# Altium PCB Monitor_Board.PcbDoc (part 3 of 5) (continued)
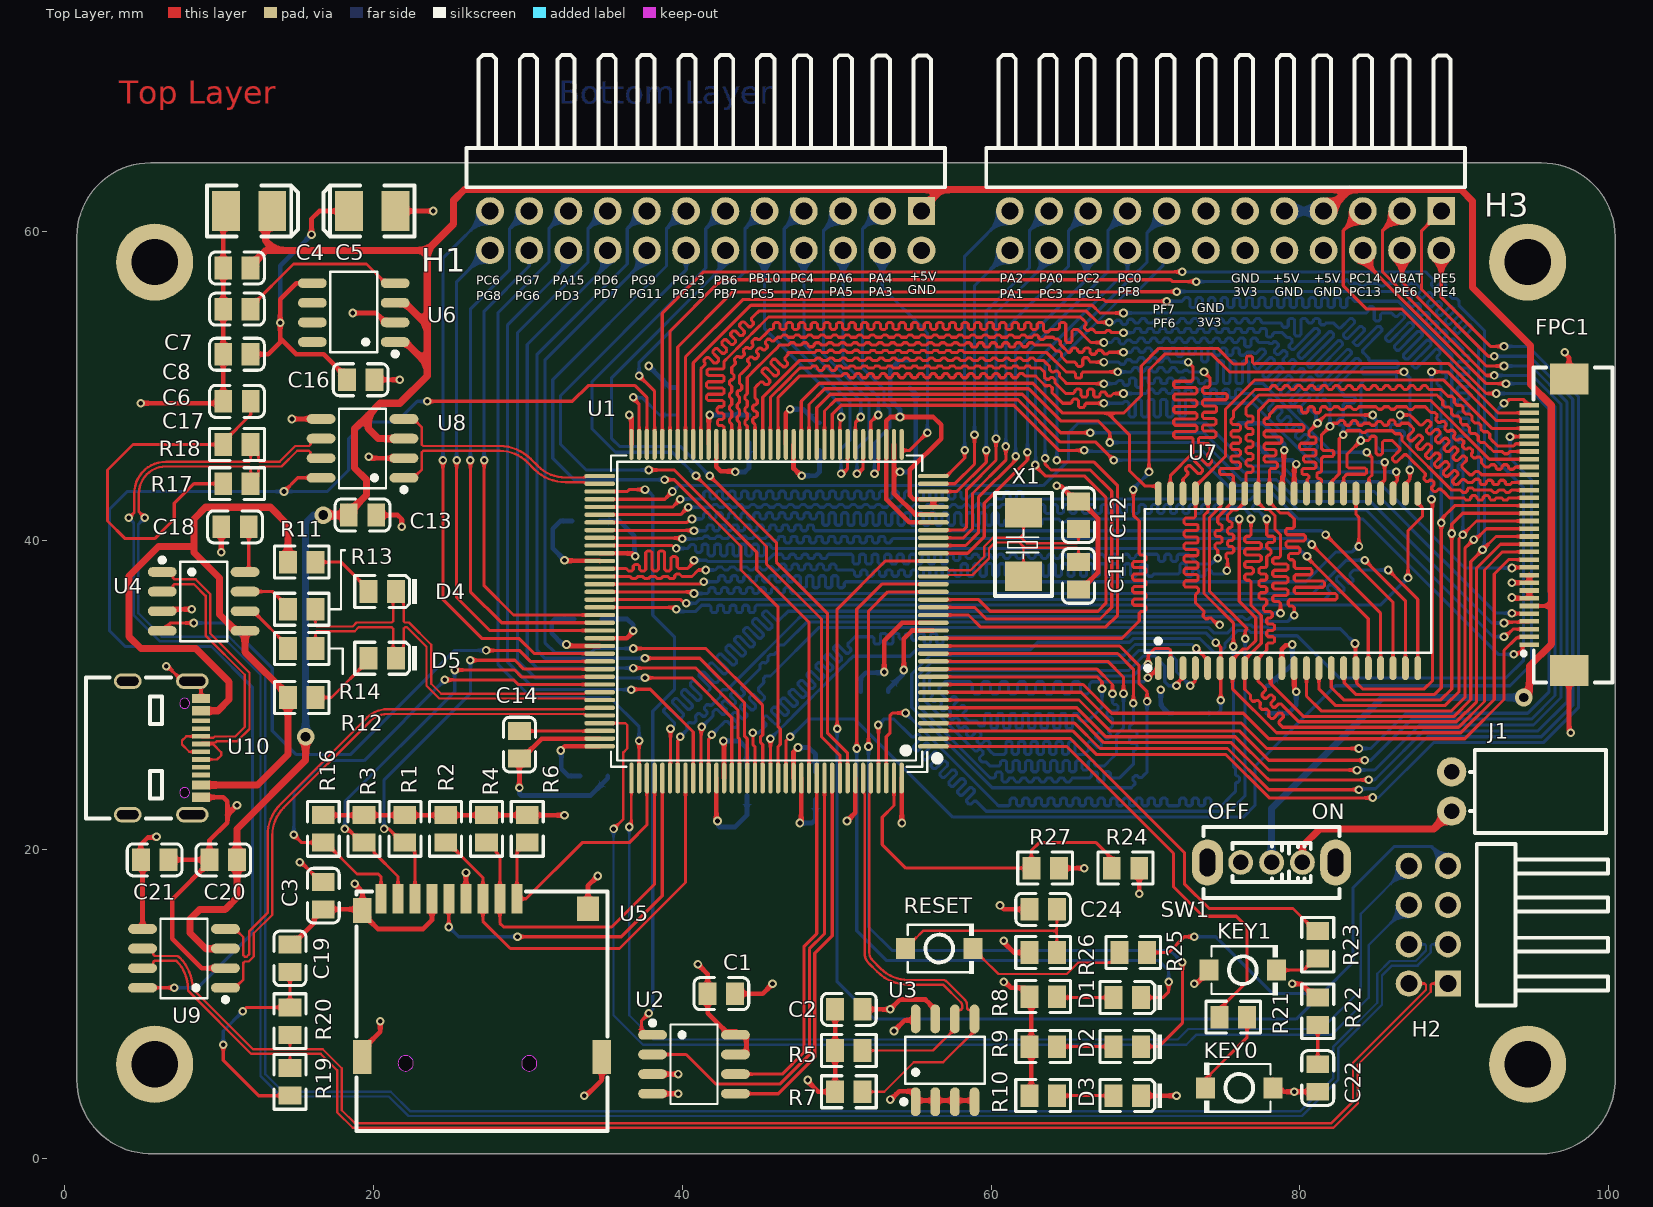
[diagram p0: Top Layer view]
## Nets (pads, with @x,y where several pads share a name; then routed paths per layer and width w, separated by ;. In a path a pad name is that pad's centre, name@x,y a point inside that pad or via, vN(x,y) a via of type N, cw(c..) or ccw(c..) an arc to the next point about the centre after c; other vN are vias at no path point) (continued)
NetKEY0_2: KEY0.2 R21.1 | length 5.6
  Top Layer w0.203: KEY0.2@73.888,5.08 73.888,5.145 76.581,7.838 R21.1@76.581,9.525
NetKEY1_2: KEY1.2 R23.1 | length 3
  Top Layer w0.203: KEY1.2@78.486,12.192 80.237,12.192 80.998,12.953 R23.1@81.153,12.953
NetR13_1: R13.1 U4.7 | length 3.3
  Top Layer w0.203: U4.7@11.699,36.703 13.49,36.703 14.478,35.715 R13.1@14.478,35.56
NetR14_1: R14.1 U4.6 | length 3.9
  Top Layer w0.203: U4.6@11.699,35.433 12.219,35.433 14.477,33.175 R14.1@14.477,33.02
NetR24_1: R24.1 R27.1 U1.143 | length 22.5
  Top Layer w0.203: U1.143@53.716,24.633 53.716,22.855 52.959,22.098 52.959,20.32 54.483,18.796 R27.1@62.609,18.796 62.609,19.937 63.119,20.447 66.802,20.447 67.816,19.433 R24.1@67.816,18.796
NetR25_1: R25.1 RESET.2 | length 10.9
  Top Layer w0.152: RESET.2@58.827,13.589 58.827,13.524 59.366,12.985 59.431,12.985 60.478,11.938 64.907,11.938 65.645,12.676 67.814,12.676 68.318,13.18 R25.1@68.318,13.335
PA_0: H3.14 U1.34 | length 22.2
  Top Layer w0.203: U1.34@56.266,43.183 57.788,43.183 59.69,45.085 v1(59.69,45.847)
  Bottom Layer w0.203: v1(59.69,45.847) 59.69,54.864 62.484,57.658 62.484,60.071 H3.14@63.754,61.341
PA_1: H3.1 U1.35 | length 18
  Top Layer w0.203: U1.35@56.266,43.683 57.653,43.683 58.928,44.958 v1(58.928,46.863)
  Bottom Layer w0.203: v1(58.928,46.863) 58.928,56.515 H3.1@61.214,58.801
PA_2: H3.13 U1.36 | length 19.7
  Top Layer w0.203: U1.36@56.266,44.183 57.126,44.183 58.293,45.35 v1(58.293,45.847)
  Bottom Layer w0.203: v1(58.293,45.847) 58.293,58.42 H3.13@61.214,61.341
PA_3: H1.11 U1.37 | length 15.7
  Top Layer w0.203: U1.37@54.216,46.233 54.216,45.882 54.252,45.847 54.737,45.847 v1(55.88,46.99)
  Bottom Layer w0.203: H1.11@52.959,58.928 52.959,56.388 55.764,53.583 55.753,53.573 55.88,53.446 v1(55.88,46.99)
PA_4: H1.23 U1.40 | length 20.9
  Top Layer w0.203: v1(52.451,44.323) 52.716,44.588 U1.40@52.716,46.233
  Bottom Layer w0.203: v1(52.451,44.323) 52.451,46.34 53.061,46.949 53.061,46.965 53.467,47.371 53.467,48.514 53.061,48.92 53.061,49.809 52.603,50.267 52.589,50.267 51.689,51.167 51.689,60.198 H1.23@52.959,61.468
PA_5: H1.10 U1.41 | length 13.9
  Top Layer w0.203: U1.41@52.216,46.233 52.216,47.708 52.641,48.133 v1(52.705,48.133)
  Bottom Layer w0.203: H1.10@50.419,58.928 50.419,51.562 52.705,49.276 v1(52.705,48.133)
PA_6: H1.22 U1.42 | length 21.3
  Top Layer w0.203: v1(51.317,44.323) 51.362,44.323 51.716,44.677 U1.42@51.716,46.233
  Bottom Layer w0.203: H1.22@50.419,61.468 H1.22@50.419,61.341 49.149,60.071 49.149,52.07 52.095,49.124 52.095,46.735 51.317,45.956 v1(51.317,44.323)
PA_7: H1.9 U1.43 | length 14.4
  Top Layer w0.203: U1.43@51.216,46.233 51.216,47.66 v1(51.562,48.006)
  Bottom Layer w0.203: H1.9@47.879,58.928 47.879,52.705 51.435,49.149 51.562,49.022 v1(51.562,48.006)
PA_15: H1.15 U1.110 | length 45.5
  Top Layer w0.203: v1(37.211,27.051) 37.211,24.638 U1.110@37.216,24.633
  Bottom Layer w0.203: H1.15@32.639,61.468 31.369,60.198 31.369,58.039 28.067,54.737 28.067,32.004 30.226,29.845 35.306,29.845 37.211,27.94 v1(37.211,27.051)
PB_6: H1.19 U1.136 | length 49.2
  Top Layer w0.203: v1(40.894,44.196) 45.466,39.624 45.466,38.481 49.022,34.925 49.022,27.305 50.216,26.111 U1.136@50.216,24.633
  Bottom Layer w0.203: v1(40.894,44.196) 39.37,45.72 35.687,45.72 34.163,47.244 34.163,50.292 41.529,57.658 41.529,60.198 H1.19@42.799,61.468
PB_7: H1.7 U1.137 | length 46
  Top Layer w0.203: v1(41.783,44.196) 46.101,39.878 46.101,38.608 49.403,35.306 49.403,27.559 50.716,26.246 U1.137@50.716,24.633
  Bottom Layer w0.203: v1(41.783,44.196) 39.878,46.101 35.941,46.101 35.433,46.609 35.433,50.546 42.799,57.912 H1.7@42.799,58.928
PB_10: H1.20 U1.69 | length 19.6
  Top Layer w0.203: v1(37.211,50.673) 38.216,49.668 U1.69@38.216,46.233
  Bottom Layer w0.203: v1(37.211,50.673) 37.211,51.562 42.355,56.706 43.37,56.706 44.069,57.404 44.069,60.198 H1.20@45.339,61.468
PC_0: H3.16 U1.26 | length 28.7
  Top Layer w0.203: U1.26@56.266,39.183 58.487,39.183 59.563,40.259 59.563,42.418 62.357,45.212 v1(62.357,45.72)
  Bottom Layer w0.203: v1(62.357,45.72) 62.357,52.197 67.564,57.404 67.564,60.071 H3.16@68.834,61.341
PC_1: H3.3 U1.27 | length 24.5
  Top Layer w0.203: U1.27@56.266,39.683 58.352,39.683 59.182,40.513 59.182,42.799 61.595,45.212 v1(61.595,45.466)
  Bottom Layer w0.203: v1(61.595,45.466) 61.595,52.324 66.167,56.896 66.167,58.674 H3.3@66.294,58.801
PC_2: H3.15 U1.28 | length 26.5
  Top Layer w0.203: U1.28@56.266,40.183 58.217,40.183 58.801,40.767 58.801,43.053 60.96,45.212 v1(60.96,46.101)
  Bottom Layer w0.203: v1(60.96,46.101) 60.96,53.721 65.024,57.785 65.024,60.071 H3.15@66.294,61.341
PC_3: H3.2 U1.29 | length 22.4
  Top Layer w0.203: U1.29@56.266,40.683 58.209,40.683 58.42,40.894 58.42,43.307 60.325,45.212 v1(60.325,46.609)
  Bottom Layer w0.203: v1(60.325,46.609) 60.325,54.737 63.754,58.166 H3.2@63.754,58.801
PC_4: H1.21 U1.44 | length 21.8
  Top Layer w0.203: v1(50.292,44.323) 50.378,44.323 50.716,44.661 U1.44@50.716,46.233
  Bottom Layer w0.203: H1.21@47.879,61.468 46.609,60.198 46.609,53.213 50.876,48.946 50.876,46.536 50.292,45.952 v1(50.292,44.323)
PC_5: H1.8 U1.45 | length 14.8
  Top Layer w0.203: U1.45@50.216,46.233 50.216,47.676 50.292,47.752 v1(50.292,48.006)
  Bottom Layer w0.203: H1.8@45.339,58.928 45.339,53.721 50.292,48.768 v1(50.292,48.006)
PC_6: H1.13 U1.96 | length 38.1
  Top Layer w0.203: v1(24.511,45.212) 24.511,36.195 27.051,33.655 29.464,33.655 30.436,32.683 U1.96@34.666,32.683
  Bottom Layer w0.203: v1(24.511,45.212) 24.511,58.293 H1.13@27.559,61.341 H1.13@27.559,61.468
PC_13: H3.10 U1.7 | length 79.3
  Top Layer w0.203: U1.7@56.266,29.683 65.694,29.683 67.691,27.686 76.073,27.686 77.978,25.781 v1(84.201,25.781) ; H3.10@84.074,58.801 84.074,58.166 92.075,50.165 v1(93.345,50.165)
  Bottom Layer w0.203: v1(84.201,25.781) 84.582,25.781 87.249,28.448 94.996,28.448 96.52,29.972 96.52,48.672 95.027,50.165 v1(93.345,50.165)
PC_14: H3.22 U1.8 | length 83.2
  Top Layer w0.203: U1.8@56.266,30.183 65.829,30.183 67.818,28.194 76.2,28.194 77.851,26.543 v1(83.82,26.543) ; H3.22@84.074,61.341 82.804,60.071 82.804,56.515 84.328,54.991 86.614,54.991 92.075,49.53 v1(92.71,49.53)
  Bottom Layer w0.203: v1(83.82,26.543) 84.582,26.543 86.868,28.829 94.742,28.829 96.139,30.226 96.139,48.514 95.123,49.53 v1(92.71,49.53)
PD_3: H1.3 U1.117 | length 45.3
  Top Layer w0.203: v1(36.703,30.353) 36.731,30.381 37.945,30.381 40.716,27.61 U1.117@40.716,24.633
  Bottom Layer w0.203: H1.3@32.639,58.928 32.639,57.912 28.702,53.975 28.702,32.131 30.48,30.353 v1(36.703,30.353)
PD_6: H1.16 U1.122 | length 51
  Top Layer w0.203: v1(37.592,31.115) 40.64,31.115 43.216,28.539 U1.122@43.216,24.633
  Bottom Layer w0.203: H1.16@35.179,61.468 33.909,60.198 33.909,58.039 29.337,53.467 29.337,32.258 30.48,31.115 v1(37.592,31.115)
PD_7: H1.4 U1.123 | length 48.2
  Top Layer w0.203: v1(36.83,31.75) 40.894,31.75 43.607,29.037 43.607,27.272 43.716,27.163 U1.123@43.716,24.633
  Bottom Layer w0.203: H1.4@35.179,58.928 35.179,57.912 29.972,52.705 29.972,32.385 30.607,31.75 v1(36.83,31.75)
PE_4: H3.12 U1.3 | length 80.7
  Top Layer w0.203: U1.3@56.266,27.683 65.281,27.683 66.802,26.162 75.184,26.162 78.003,23.343 84.684,23.343 v1(84.709,23.368) ; H3.12@89.154,58.801 89.154,55.753 92.329,52.578 v1(93.218,52.578)
  Bottom Layer w0.203: v1(84.709,23.368) 85.09,23.368 88.646,26.924 95.758,26.924 98.044,29.21 98.044,49.303 94.769,52.578 v1(93.218,52.578)
PE_5: H3.24 U1.4 | length 83.6
  Top Layer w0.203: U1.4@56.266,28.183 65.416,28.183 67.056,26.543 75.311,26.543 77.978,23.876 v1(83.82,23.876) ; H3.24@89.154,61.341 87.884,60.071 87.884,56.261 92.202,51.943 v1(92.583,51.943)
  Bottom Layer w0.203: v1(83.82,23.876) 83.88,23.936 84.896,23.936 88.265,27.305 95.631,27.305 97.663,29.337 97.663,49.145 94.865,51.943 v1(92.583,51.943)
PE_6: H3.11 U1.5 | length 80.2
  Top Layer w0.203: U1.5@56.266,28.683 65.551,28.683 67.31,26.924 75.565,26.924 77.47,25.019 77.724,24.765 77.978,24.511 v1(84.455,24.511) ; H3.11@86.614,58.801 86.614,56.769 92.075,51.308 v1(93.218,51.308)
  Bottom Layer w0.203: v1(84.455,24.511) 84.836,24.511 85.09,24.765 85.344,25.019 88.011,27.686 95.419,27.686 97.282,29.549 97.282,48.987 94.961,51.308 v1(93.218,51.308)
PF_6: H3.5 U1.18 | length 42.5
  Top Layer w0.203: U1.18@56.266,35.183 58.543,35.183 59.309,34.417 67.437,34.417 68.199,35.179 68.199,43.561 66.675,45.085 64.516,45.085 64.389,45.212 v1(64.262,45.212)
  Bottom Layer w0.203: v1(64.262,45.212) 64.262,51.562 68.707,56.007 69.342,56.007 71.126,57.791 71.126,58.553 H3.5@71.374,58.801
PF_7: H3.17 U1.19 | length 44.4
  Top Layer w0.203: U1.19@56.266,35.683 58.932,35.683 59.69,34.925 67.056,34.925 67.818,35.687 67.818,43.194 66.435,44.577 63.881,44.577 63.5,44.958 v1(63.5,45.339)
  Bottom Layer w0.203: v1(63.5,45.339) 63.5,51.447 69.076,57.023 69.088,57.023 70.104,58.039 70.104,59.944 71.374,61.214 H3.17@71.374,61.341
PF_8: H3.4 U1.20 | length 40.4
  Top Layer w0.203: U1.20@56.266,36.183 59.194,36.183 59.944,35.433 66.929,35.433 67.437,35.941 67.437,42.799 66.04,44.196 63.5,44.196 62.865,44.831 v1(62.865,44.898)
  Bottom Layer w0.203: v1(62.865,44.898) 62.89,44.924 62.89,51.587 68.834,57.531 H3.4@68.834,58.801
PG_6: H1.2 U1.91 | length 31.3
  Top Layer w0.203: v1(27.178,45.212) 27.178,37.084 29.079,35.183 U1.91@34.666,35.183
  Bottom Layer w0.203: v1(27.178,45.212) 27.178,54.864 30.099,57.785 H1.2@30.099,58.928
PG_7: H1.14 U1.92 | length 35.6
  Top Layer w0.203: v1(26.289,45.212) 26.289,36.703 28.309,34.683 U1.92@34.666,34.683
  Bottom Layer w0.203: v1(26.289,45.212) 26.289,54.991 28.829,57.531 28.829,60.198 H1.14@30.099,61.468
PG_8: H1.1 U1.93 | length 33.7
  Top Layer w0.203: v1(25.4,45.212) 25.4,36.322 27.539,34.183 U1.93@34.666,34.183
  Bottom Layer w0.203: v1(25.4,45.212) 25.4,56.769 H1.1@27.559,58.928
PG_9: H1.17 U1.124 | length 51.3
  Top Layer w0.203: v1(37.592,32.385) 41.148,32.385 44.044,29.489 44.044,27.338 44.216,27.166 U1.124@44.216,24.633
  Bottom Layer w0.203: v1(37.592,32.385) 31.115,32.385 30.607,32.893 30.607,52.07 36.449,57.912 36.449,60.198 H1.17@37.719,61.468
PG_11: H1.5 U1.126 | length 49.1
  Top Layer w0.203: v1(36.83,33.02) 41.529,33.02 45.212,29.337 45.212,28.575 45.216,28.571 45.216,27.434 45.085,27.303 45.085,26.924 45.216,26.793 U1.126@45.216,24.633
  Bottom Layer w0.203: v1(36.83,33.02) 34.369,33.02 34.089,32.741 31.775,32.741 31.115,33.401 31.115,51.689 37.719,58.293 H1.5@37.719,58.801 H1.5@37.719,58.928
PG_13: H1.18 U1.128 | length 50.4
  Top Layer w0.203: v1(38.862,43.942) 39.497,43.942 43.815,39.624 43.815,38.1 46.216,35.699 46.216,27.94 46.355,27.801 46.355,26.809 46.216,26.67 U1.128@46.216,24.633
  Bottom Layer w0.203: v1(38.862,43.942) 33.02,43.942 31.623,45.339 31.623,50.419 38.989,57.785 38.989,60.198 H1.18@40.259,61.468
PG_15: H1.6 U1.132 | length 47.7
  Top Layer w0.203: v1(37.846,44.577) 39.497,44.577 44.831,39.243 44.831,38.1 48.216,34.715 U1.132@48.216,24.633
  Bottom Layer w0.203: v1(37.846,44.577) 33.782,44.577 32.131,46.228 32.131,49.403 40.259,57.531 H1.6@40.259,58.928
sdio_cmd: R2.1 U1.116 U5.3 | length 28.6
  Top Layer w0.203: R2.1@24.689,20.447 24.844,20.447 27.101,18.19 U5.3@27.101,16.809 27.101,15.367 28.879,13.589 35.941,13.589 40.216,17.864 U1.116@40.216,24.633
sdio_d0: R1.1 U1.98 U5.7 | length 27.6
  Top Layer w0.203: v1(20.701,21.336) 21.003,21.336 21.892,20.447 R1.1@22.047,20.447 22.202,20.447 22.701,19.948 U5.7@22.701,16.809 ; v1(26.289,32.258) 29.174,32.258 29.749,31.683 U1.98@34.666,31.683
  Bottom Layer w0.203: v1(20.701,21.336) 20.701,24.511 26.289,30.099 v1(26.289,32.258)
sdio_d1: R3.1 U1.99 U5.8 | length 29.1
  Top Layer w0.203: v1(18.161,21.336) 18.362,21.336 19.251,20.447 R3.1@19.406,20.447 19.561,20.447 20.039,19.969 20.039,19.814 21.601,18.252 U5.8@21.601,16.809 ; v1(25.273,31.623) 29.151,31.623 29.591,31.183 U1.99@34.666,31.183
  Bottom Layer w0.203: v1(18.161,21.336) 18.161,23.114 25.273,30.226 v1(25.273,31.623)
sdio_d2: R6.1 U1.111 U5.1 | length 17.4
  Top Layer w0.203: R6.1@29.972,20.447 29.817,20.447 29.301,19.931 U5.1@29.301,16.809 29.89,16.809 33.528,20.447 36.576,20.447 37.719,21.59 37.719,24.63 U1.111@37.716,24.633
sdio_d3: R4.1 U1.112 U5.2 | length 23.8
  Top Layer w0.203: R4.1@27.33,20.447 27.485,20.447 27.964,19.969 27.964,19.814 28.201,19.576 U5.2@28.201,16.809 28.201,15.233 28.448,14.986 35.433,14.986 38.216,17.769 U1.112@38.216,24.633
SDIO_DET: R16.1 U1.100 U5.9 | length 33.9
  Top Layer w0.203: v1(14.859,20.955) 15.367,20.447 R16.1@16.764,20.447 16.919,20.447 18.951,18.415 20.32,18.415 20.501,18.234 U5.9@20.501,16.809 ; v1(24.638,30.988) 29.083,30.988 29.388,30.683 U1.100@34.666,30.683
  Bottom Layer w0.203: v1(14.859,20.955) 14.859,23.749 16.866,25.756 19.406,25.756 v1(24.638,30.988)
SDIO_SCK: U1.113 U5.5 | length 24.6
  Top Layer w0.203: v1(24.892,14.986) 24.892,16.8 U5.5@24.901,16.809 ; v1(29.337,14.351) 36.068,14.351 38.716,16.999 U1.113@38.716,24.633
  Bottom Layer w0.203: v1(24.892,14.986) 25.527,14.351 v1(29.337,14.351)
SRAM_A0: U1.10 U7.1 | length 62.9
  Top Layer w0.203: U1.10@56.266,31.183 66.861,31.183 67.183,30.861 v1(67.183,30.416) ; v1(70.158,31.115) U7.1@70.793,31.75
  Bottom Layer w0.203: v1(67.183,30.416) 67.183,29.21 67.039,29.066 66.752,28.779 66.465,28.492 66.294,28.321 66.091,28.321 65.786,28.321 65.684,28.423 65.684,28.714 65.583,28.815 65.38,28.815 65.278,28.714 65.278,28.321 65.278,27.928 65.176,27.827 64.973,27.827 64.872,27.928 64.872,28.321 64.872,28.714 64.77,28.815 64.567,28.815 64.465,28.714 64.465,28.321 64.465,27.928 64.364,27.827 64.16,27.827 64.059,27.928 64.059,28.321 64.059,28.714 63.957,28.815 63.754,28.815 63.652,28.714 63.652,28.321 63.652,27.928 63.551,27.827 63.348,27.827 63.246,27.928 63.246,28.321 63.246,28.714 63.144,28.815 62.941,28.815 62.84,28.714 62.84,28.321 62.84,27.928 62.738,27.827 62.535,27.827 62.433,27.928 62.433,28.321 62.433,28.714 62.332,28.815 62.128,28.815 62.027,28.714 62.027,28.321 62.027,27.928 61.925,27.827 61.722,27.827 61.62,27.928 61.62,28.321 61.62,28.714 61.519,28.815 61.316,28.815 61.214,28.714 61.214,28.321 61.214,27.928 61.112,27.827 60.909,27.827 60.808,27.928 60.808,28.321 60.808,28.714 60.706,28.815 60.503,28.815 60.401,28.714 60.401,28.321 60.401,27.928 60.3,27.827 60.096,27.827 59.995,27.928 59.995,28.321 59.995,28.714 59.893,28.815 59.69,28.815 59.588,28.714 59.588,28.321 59.588,28.091 59.487,27.989 59.284,27.989 59.182,28.091 59.182,28.219 59.08,28.321 58.776,28.321 58.547,28.321 58.403,28.465 58.188,28.68 58.188,28.824 58.394,29.03 58.394,29.173 58.25,29.317 58.106,29.317 57.9,29.111 57.757,29.111 57.613,29.255 57.613,29.399 57.819,29.604 57.819,29.748 57.675,29.892 57.531,29.892 57.326,29.686 57.182,29.686 56.966,29.902 56.679,30.189 56.642,30.226 56.642,30.48 57.023,30.861 57.912,30.861 58.204,30.861 58.642,30.861 58.788,30.715 58.788,30.22 58.934,30.074 59.226,30.074 59.372,30.22 59.372,30.715 59.519,30.861 59.811,30.861 59.957,30.715 59.957,30.22 60.103,30.074 60.395,30.074 60.541,30.22 60.541,30.715 60.687,30.861 60.979,30.861 61.125,30.715 61.125,30.22 61.271,30.074 61.563,30.074 61.709,30.22 61.709,30.715 61.855,30.861 62.147,30.861 62.293,30.715 62.293,30.22 62.44,30.074 62.732,30.074 62.878,30.22 62.878,30.715 63.024,30.861 63.316,30.861 63.462,30.715 63.462,30.22 63.608,30.074 63.9,30.074 64.046,30.22 64.046,30.715 64.192,30.861 64.484,30.861 64.63,30.715 64.63,30.22 64.776,30.074 65.068,30.074 65.214,30.22 65.214,30.715 65.361,30.861 65.653,30.861 65.799,30.715 65.799,30.22 65.945,30.074 66.237,30.074 66.383,30.22 66.383,30.715 66.529,30.861 66.548,30.861 69.904,30.861 v1(70.158,31.115)
SRAM_A1: U1.11 U7.2 | length 63.6
  Top Layer w0.203: U1.11@56.266,31.683 66.869,31.683 67.869,30.683 v1(67.869,30.097) ; v1(70.168,32.004) 70.18,32.017 70.18,32.588 70.612,33.02 71.501,33.02 71.628,32.893 U7.2@71.628,31.742
  Bottom Layer w0.203: v1(67.869,30.097) 67.869,29.591 67.869,29.489 67.97,29.388 68.123,29.388 68.224,29.286 68.224,29.083 68.123,28.981 67.869,28.981 67.603,28.981 67.502,28.88 67.502,28.677 67.603,28.575 67.767,28.575 67.869,28.473 67.869,28.169 67.869,27.991 67.725,27.847 67.691,27.813 67.619,27.741 67.619,27.597 67.735,27.482 67.735,27.338 67.591,27.194 67.448,27.194 67.26,27.382 67.072,27.57 66.928,27.57 66.785,27.426 66.785,27.282 66.973,27.095 67.16,26.907 67.16,26.763 67.017,26.619 66.873,26.619 66.685,26.807 66.497,26.995 66.354,26.995 66.21,26.851 66.21,26.708 66.326,26.592 66.326,26.448 66.11,26.232 66.103,26.226 66.04,26.162 65.837,26.162 65.532,26.162 65.43,26.264 65.43,26.907 65.329,27.008 65.126,27.008 65.024,26.907 65.024,26.264 64.922,26.162 64.719,26.162 64.618,26.264 64.618,26.907 64.516,27.008 64.313,27.008 64.211,26.907 64.211,26.264 64.11,26.162 63.906,26.162 63.805,26.264 63.805,26.907 63.703,27.008 63.5,27.008 63.398,26.907 63.398,26.264 63.297,26.162 63.094,26.162 62.992,26.264 62.992,26.907 62.89,27.008 62.687,27.008 62.586,26.907 62.586,26.264 62.484,26.162 62.281,26.162 62.179,26.264 62.179,26.907 62.078,27.008 61.874,27.008 61.773,26.907 61.773,26.264 61.671,26.162 61.468,26.162 61.366,26.264 61.366,26.907 61.265,27.008 61.062,27.008 60.96,26.907 60.96,26.264 60.858,26.162 60.579,26.162 60.165,26.162 60.021,26.306 59.806,26.521 59.806,26.665 59.922,26.781 59.922,26.925 59.778,27.068 59.634,27.068 59.447,26.88 59.399,26.833 59.255,26.833 59.111,26.976 59.111,27.12 59.159,27.168 59.347,27.356 59.347,27.499 59.203,27.643 59.06,27.643 58.872,27.455 58.704,27.287 58.56,27.287 58.416,27.431 58.416,27.574 58.513,27.671 58.513,27.814 58.369,27.958 58.225,27.958 58.129,27.862 57.985,27.862 57.841,28.005 57.841,28.149 57.938,28.245 57.938,28.389 57.794,28.533 57.65,28.533 57.554,28.436 57.41,28.436 57.267,28.58 57.267,28.724 57.363,28.82 57.363,28.964 57.219,29.108 57.076,29.108 56.979,29.011 56.836,29.011 56.692,29.155 56.692,29.299 56.788,29.395 56.788,29.539 56.645,29.682 56.501,29.682 56.405,29.586 56.261,29.586 56.117,29.73 56.117,29.873 56.214,29.97 56.214,30.113 56.181,30.146 56.007,30.32 56.007,30.983 56.266,31.242 69.215,31.242 69.964,31.991 v1@70.219,31.991
SRAM_A2: U1.12 U7.3 | length 63.1
  Top Layer w0.203: U1.12@56.266,32.183 67.564,32.183 68.58,31.167 v1(68.58,30.099) ; v1(72.009,30.607) 72.077,30.675 72.077,30.793 72.428,31.144 U7.3@72.428,31.742
  Bottom Layer w0.203: v1(68.58,30.099) 68.58,28.138 68.58,27.889 68.135,27.445 68.135,26.225 67.992,26.082 67.704,25.794 67.417,25.507 67.31,25.4 67.107,25.4 66.802,25.4 66.7,25.502 66.7,25.666 66.599,25.767 66.396,25.767 66.294,25.666 66.294,25.4 66.294,25.246 66.192,25.145 65.989,25.145 65.888,25.246 65.888,25.4 65.888,25.666 65.786,25.767 65.583,25.767 65.481,25.666 65.481,25.4 65.481,25.134 65.38,25.033 65.176,25.033 65.075,25.134 65.075,25.4 65.075,25.666 64.973,25.767 64.77,25.767 64.668,25.666 64.668,25.4 64.668,25.134 64.567,25.033 64.364,25.033 64.262,25.134 64.262,25.4 64.262,25.666 64.16,25.767 63.957,25.767 63.856,25.666 63.856,25.4 63.856,25.134 63.754,25.033 63.551,25.033 63.449,25.134 63.449,25.4 63.449,25.666 63.348,25.767 63.144,25.767 63.043,25.666 63.043,25.4 63.043,25.134 62.941,25.033 62.738,25.033 62.636,25.134 62.636,25.4 62.636,25.666 62.535,25.767 62.332,25.767 62.23,25.666 62.23,25.4 62.23,25.134 62.128,25.033 61.925,25.033 61.824,25.134 61.824,25.4 61.824,25.666 61.722,25.767 61.519,25.767 61.417,25.666 61.417,25.4 61.417,25.134 61.316,25.033 61.112,25.033 61.011,25.134 61.011,25.4 61.011,25.666 60.909,25.767 60.706,25.767 60.604,25.666 60.604,25.502 60.503,25.4 60.198,25.4 59.944,25.4 59.753,25.59 59.668,25.676 59.552,25.676 59.408,25.676 59.265,25.82 59.265,25.964 59.322,26.022 59.491,26.19 59.491,26.333 59.347,26.477 59.203,26.477 59.107,26.381 58.963,26.381 58.547,26.797 55.651,29.693 55.651,31.13 56.119,31.598 68.936,31.598 69.875,32.537 70.587,32.537 71.247,31.877 71.247,30.861 71.501,30.607 v1(72.009,30.607)
SRAM_A3: U1.13 U7.4 | length 64
  Top Layer w0.203: U1.13@56.266,32.683 67.31,32.683 67.316,32.689 68.199,32.689 69.215,31.673 v1(69.215,29.464) ; v1(72.898,30.607) 73.228,30.937 U7.4@73.228,31.742
  Bottom Layer w0.203: v1(69.215,29.464) 69.215,29.083 69.215,28.88 69.215,28.702 69.215,28.499 69.215,28.194 69.113,28.092 69.076,28.092 68.975,27.991 68.975,27.788 69.076,27.686 69.215,27.686 69.354,27.686 69.455,27.584 69.455,27.381 69.354,27.28 69.215,27.28 69.076,27.28 68.975,27.178 68.975,26.975 69.076,26.873 69.215,26.873 69.354,26.873 69.455,26.772 69.455,26.568 69.354,26.467 69.317,26.467 69.215,26.365 69.215,26.06 69.215,26.035 69.215,25.527 68.326,24.638 68.123,24.638 67.818,24.638 67.716,24.74 67.716,24.94 67.615,25.042 67.412,25.042 67.31,24.94 67.31,24.638 67.31,24.477 67.208,24.376 67.005,24.376 66.904,24.477 66.904,24.638 66.904,24.926 66.802,25.027 66.599,25.027 66.497,24.926 66.497,24.74 66.396,24.638 66.091,24.638 65.786,24.638 65.583,24.638 65.278,24.638 65.176,24.536 65.176,24.477 65.075,24.376 64.872,24.376 64.77,24.477 64.77,24.536 64.668,24.638 64.465,24.638 64.364,24.536 64.364,24.477 64.262,24.376 64.059,24.376 63.957,24.477 63.957,24.536 63.856,24.638 63.652,24.638 63.551,24.536 63.551,24.477 63.449,24.376 63.246,24.376 63.144,24.477 63.144,24.536 63.043,24.638 62.84,24.638 62.738,24.536 62.738,24.477 62.636,24.376 62.433,24.376 62.332,24.477 62.332,24.536 62.23,24.638 62.027,24.638 61.925,24.536 61.925,24.477 61.824,24.376 61.62,24.376 61.519,24.477 61.519,24.536 61.417,24.638 61.214,24.638 61.112,24.536 61.112,24.477 61.011,24.376 60.808,24.376 60.706,24.477 60.706,24.638 60.706,24.926 60.604,25.027 60.401,25.027 60.3,24.926 60.3,24.74 60.198,24.638 59.944,24.638 59.8,24.782 59.69,24.892 55.245,29.337 55.245,31.242 55.26,31.242 56.149,32.131 68.82,32.131 69.582,32.893 71.374,32.893 72.009,32.258 72.009,31.496 v1(72.898,30.607)
SRAM_A4: U1.14 U7.5 | length 62.4
  Top Layer w0.203: U1.14@56.266,33.183 68.326,33.183 69.571,31.938 69.571,30.759 70.104,30.226 v1(70.104,29.591) ; v1(73.279,33.02) 74.059,32.24 U7.5@74.059,31.75
  Bottom Layer w0.203: v1(70.104,29.591) 70.104,25.019 69.96,24.875 69.745,24.66 69.601,24.66 69.473,24.788 69.329,24.788 69.186,24.644 69.186,24.501 69.314,24.372 69.314,24.229 69.098,24.013 69.088,24.003 60.076,24.003 54.864,29.215 54.864,31.364 56.082,32.582 68.633,32.582 69.325,33.274 73.025,33.274 v1(73.279,33.02)
SRAM_A5: U1.15 U7.24 | length 62.7
  Top Layer w0.203: U1.15@56.266,33.683 68.481,33.683 69.596,34.798 69.596,35.001 69.596,35.306 69.698,35.408 69.923,35.408 70.025,35.509 70.025,35.712 69.923,35.814 69.596,35.814 69.269,35.814 69.167,35.916 69.167,36.119 69.269,36.22 69.596,36.22 69.923,36.22 70.025,36.322 70.025,36.525 69.923,36.627 69.596,36.627 69.269,36.627 69.167,36.728 69.167,36.932 69.269,37.033 69.596,37.033 69.923,37.033 70.025,37.135 70.025,37.338 69.923,37.44 69.596,37.44 69.269,37.44 69.167,37.541 69.167,37.744 69.269,37.846 69.596,37.846 69.923,37.846 70.025,37.948 70.025,38.151 69.923,38.252 69.596,38.252 69.269,38.252 69.167,38.354 69.167,38.557 69.269,38.659 69.596,38.659 69.923,38.659 70.025,38.76 70.025,38.964 69.923,39.065 69.698,39.065 69.596,39.167 69.596,39.878 69.596,41.275 69.215,41.656 v1(69.215,43.307) ; v1(70.231,44.45) 70.231,51.054 71.272,52.095 74.27,52.095 75.438,50.927 v1(86.741,50.927) ; U7.24@86.828,43.053 86.828,43.671 87.122,43.965 v1(87.122,44.577)
  Bottom Layer w0.203: v1(69.215,43.307) 69.215,43.37 70.231,44.386 v1(70.231,44.45) ; v1(86.741,50.927) 87.122,50.546 87.122,47.163 87.122,46.665 v1(87.122,44.577)
SRAM_A7: U1.53 U7.25 | length 63.4
  Top Layer w0.203: U1.53@46.216,46.233 46.216,49.276 47.613,50.673 50.165,50.673 50.325,50.673 50.368,50.716 50.47,50.818 50.673,50.818 50.775,50.716 50.775,50.673 50.775,50.648 50.876,50.546 51.079,50.546 51.181,50.648 51.181,50.673 51.181,50.716 51.283,50.818 51.486,50.818 51.587,50.716 51.587,50.673 51.587,50.648 51.689,50.546 51.892,50.546 51.994,50.648 51.994,50.673 51.994,50.716 52.095,50.818 52.299,50.818 52.4,50.716 52.4,50.673 52.4,50.648 52.502,50.546 52.705,50.546 52.807,50.648 52.807,50.673 52.807,50.716 52.908,50.818 53.111,50.818 53.213,50.716 53.213,50.673 53.213,50.648 53.315,50.546 53.518,50.546 53.619,50.648 53.619,50.673 53.619,50.716 53.721,50.818 53.924,50.818 54.026,50.716 54.026,50.673 54.026,50.648 54.127,50.546 54.331,50.546 54.432,50.648 54.432,50.673 54.432,50.716 54.534,50.818 54.737,50.818 54.839,50.716 54.839,50.673 54.839,50.648 54.94,50.546 55.143,50.546 55.245,50.648 55.245,50.673 55.245,50.716 55.347,50.818 55.55,50.818 55.651,50.716 55.651,50.673 55.651,50.648 55.753,50.546 55.956,50.546 56.058,50.648 56.058,50.673 56.058,50.716 56.159,50.818 56.363,50.818 56.464,50.716 56.464,50.673 56.464,50.648 56.566,50.546 56.769,50.546 56.871,50.648 56.871,50.673 56.871,50.716 56.972,50.818 57.175,50.818 57.277,50.716 57.277,50.673 57.277,50.648 57.379,50.546 57.582,50.546 57.683,50.648 57.683,50.673 57.683,50.716 57.785,50.818 57.988,50.818 58.09,50.716 58.09,50.673 58.09,50.648 58.191,50.546 58.395,50.546 58.496,50.648 58.496,50.673 58.496,50.716 58.598,50.818 58.801,50.818 58.903,50.716 58.903,50.673 58.903,50.648 59.004,50.546 59.207,50.546 59.309,50.648 59.309,50.673 59.309,50.716 59.411,50.818 59.614,50.818 59.715,50.716 59.715,50.673 59.715,50.648 59.817,50.546 60.02,50.546 60.122,50.648 60.122,50.673 60.122,50.716 60.223,50.818 60.427,50.818 60.528,50.716 60.528,50.673 60.528,50.648 60.63,50.546 60.833,50.546 60.935,50.648 60.935,50.673 60.935,50.716 61.036,50.818 61.239,50.818 61.341,50.716 61.341,50.673 61.341,50.648 61.443,50.546 61.646,50.546 61.747,50.648 61.747,50.673 61.747,50.716 61.849,50.818 62.052,50.818 62.154,50.716 62.197,50.673 62.56,50.673 62.865,50.673 63.009,50.529 63.296,50.242 63.512,50.026 63.655,50.026 63.673,50.044 63.816,50.044 63.96,49.9 63.96,49.757 63.943,49.739 63.943,49.595 64.158,49.38 64.446,49.092 64.643,48.895 64.846,48.895 65.151,48.895 65.253,48.997 65.253,49.073 65.354,49.174 65.557,49.174 65.659,49.073 65.659,48.895 65.659,48.717 65.761,48.616 65.964,48.616 66.065,48.717 66.065,48.793 66.167,48.895 66.421,48.895 v1(67.31,48.895) ; U7.25@86.028,43.053 86.028,43.619 86.301,43.892 86.301,44.382 v1(86.233,44.45)
  Bottom Layer w0.203: v1(67.31,48.895) 68.326,48.895 68.527,48.895 68.529,48.897 68.631,48.999 68.834,48.999 68.936,48.897 68.936,48.895 68.936,48.109 69.037,48.007 69.24,48.007 69.342,48.109 69.342,48.895 69.342,49.046 69.444,49.148 69.647,49.148 69.748,49.046 69.748,48.895 69.748,48.109 69.85,48.007 70.053,48.007 70.155,48.109 70.155,48.895 70.155,49.046 70.256,49.148 70.46,49.148 70.561,49.046 70.561,48.895 70.561,48.109 70.663,48.007 70.866,48.007 70.968,48.109 70.968,48.895 70.968,49.046 71.069,49.148 71.272,49.148 71.374,49.046 71.374,48.895 71.374,48.109 71.476,48.007 71.679,48.007 71.78,48.109 71.78,48.895 71.78,49.046 71.882,49.148 72.085,49.148 72.187,49.046 72.187,48.895 72.187,48.109 72.288,48.007 72.492,48.007 72.593,48.109 72.593,48.895 72.593,49.046 72.695,49.148 72.898,49.148 73,49.046 73,48.997 73.101,48.895 73.787,48.895 76.962,48.895 81.407,44.45 v1(86.233,44.45)